# KiCad board FPGA-BOARDver3.kicad_pcb
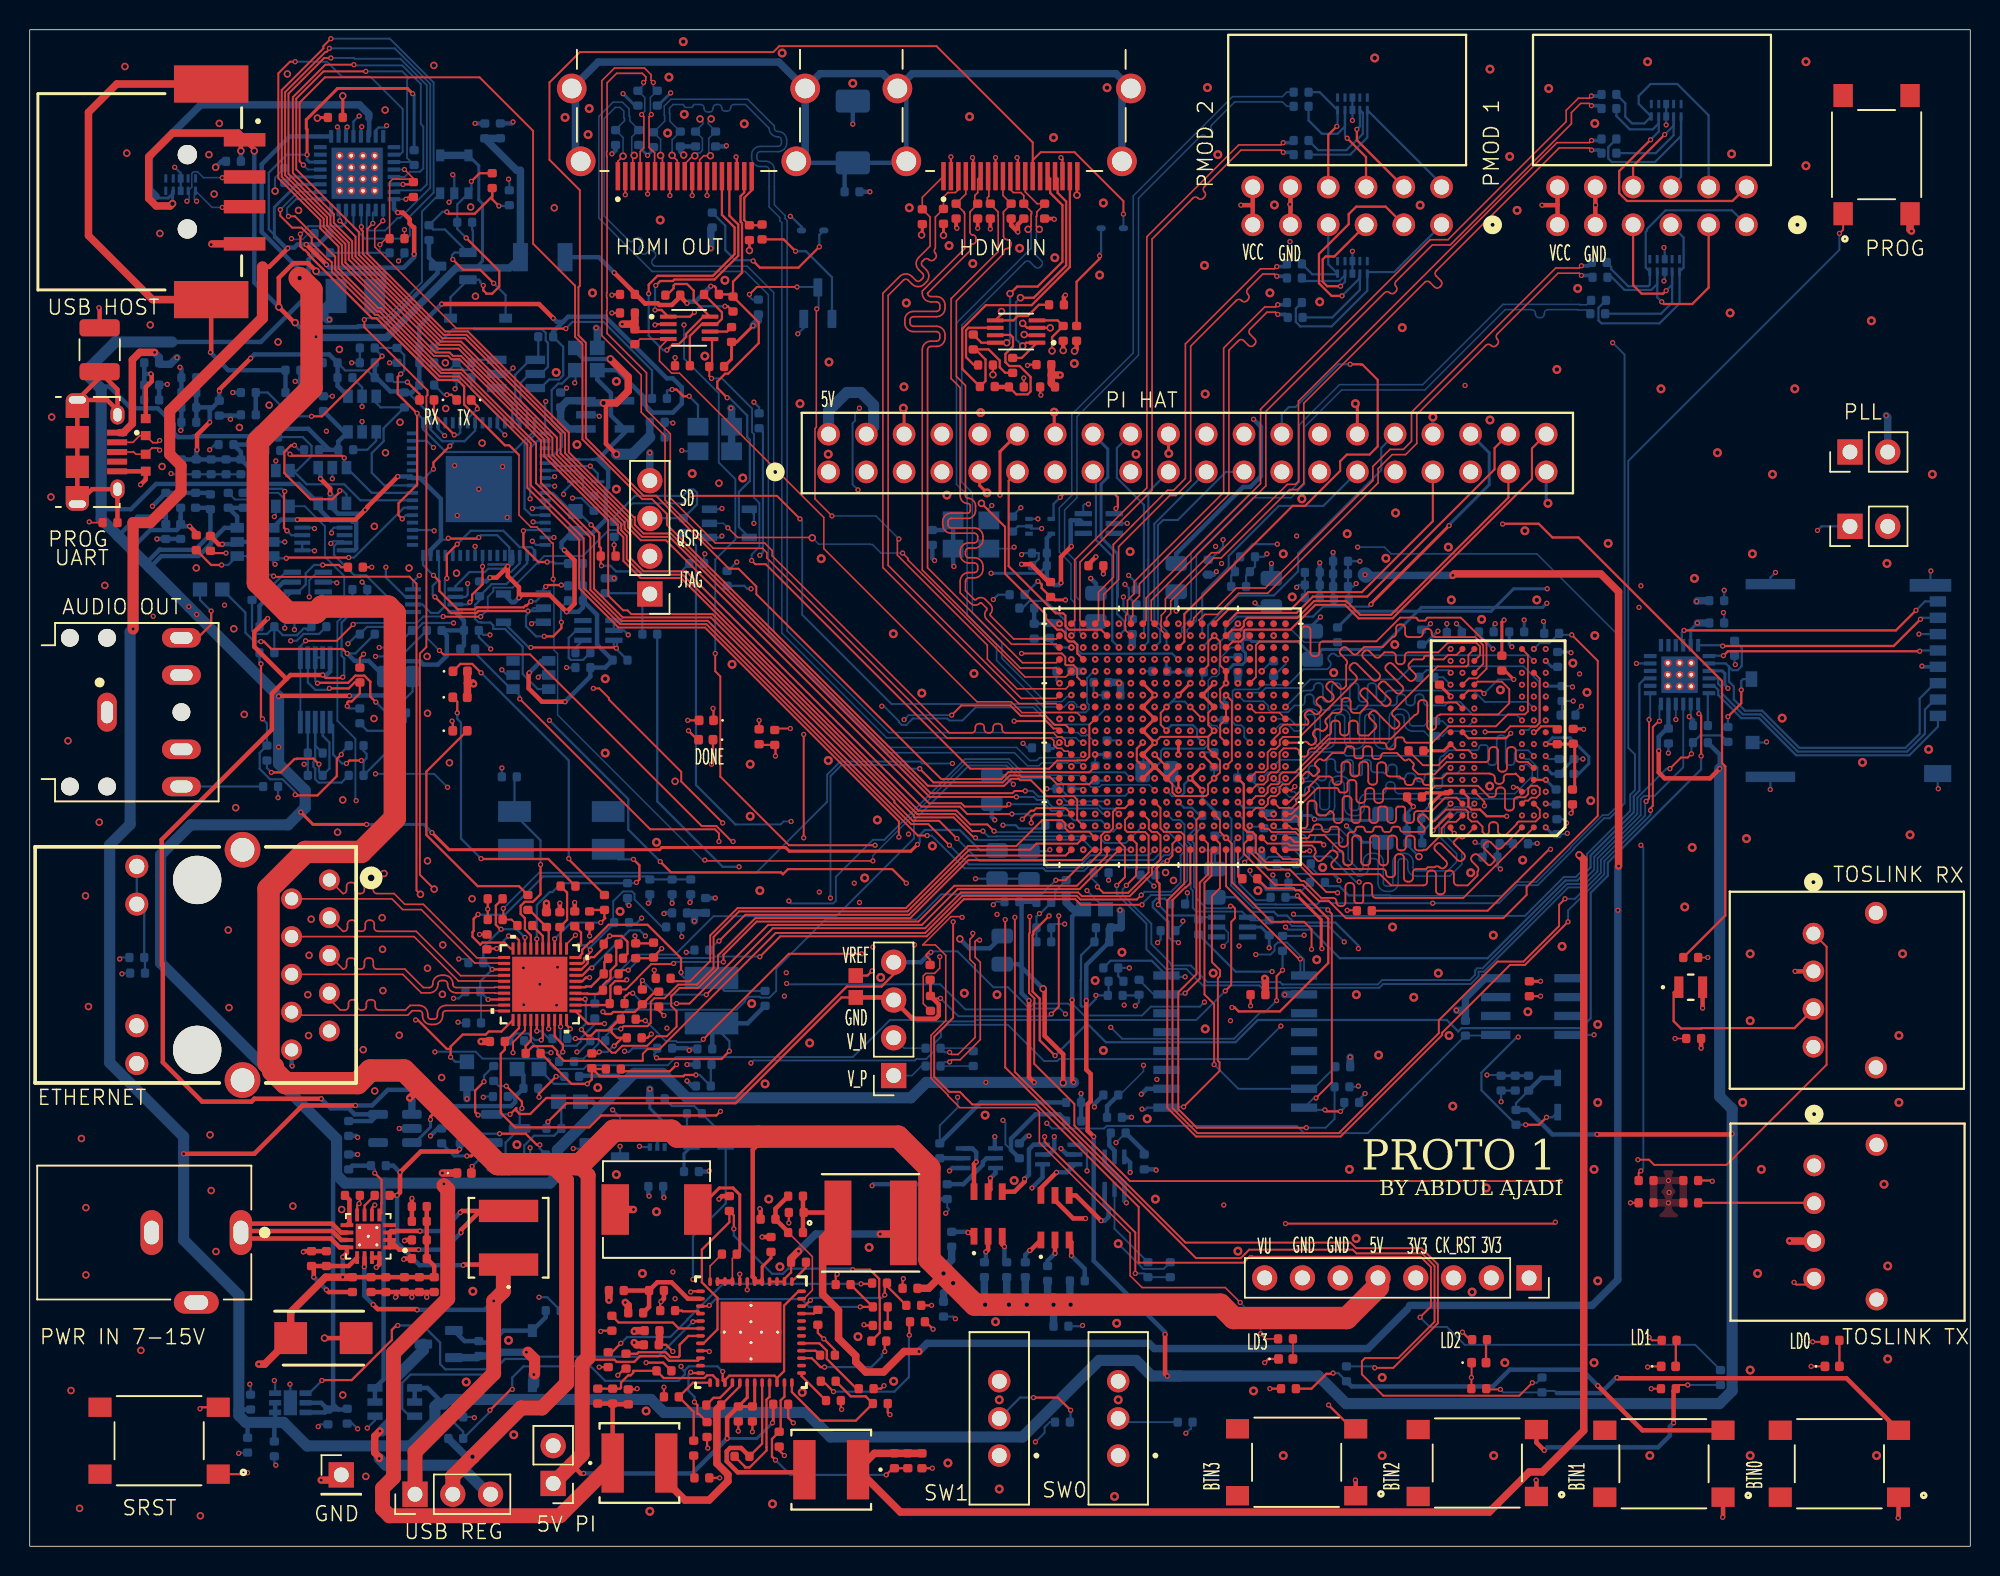
[diagram p0: board, top side]
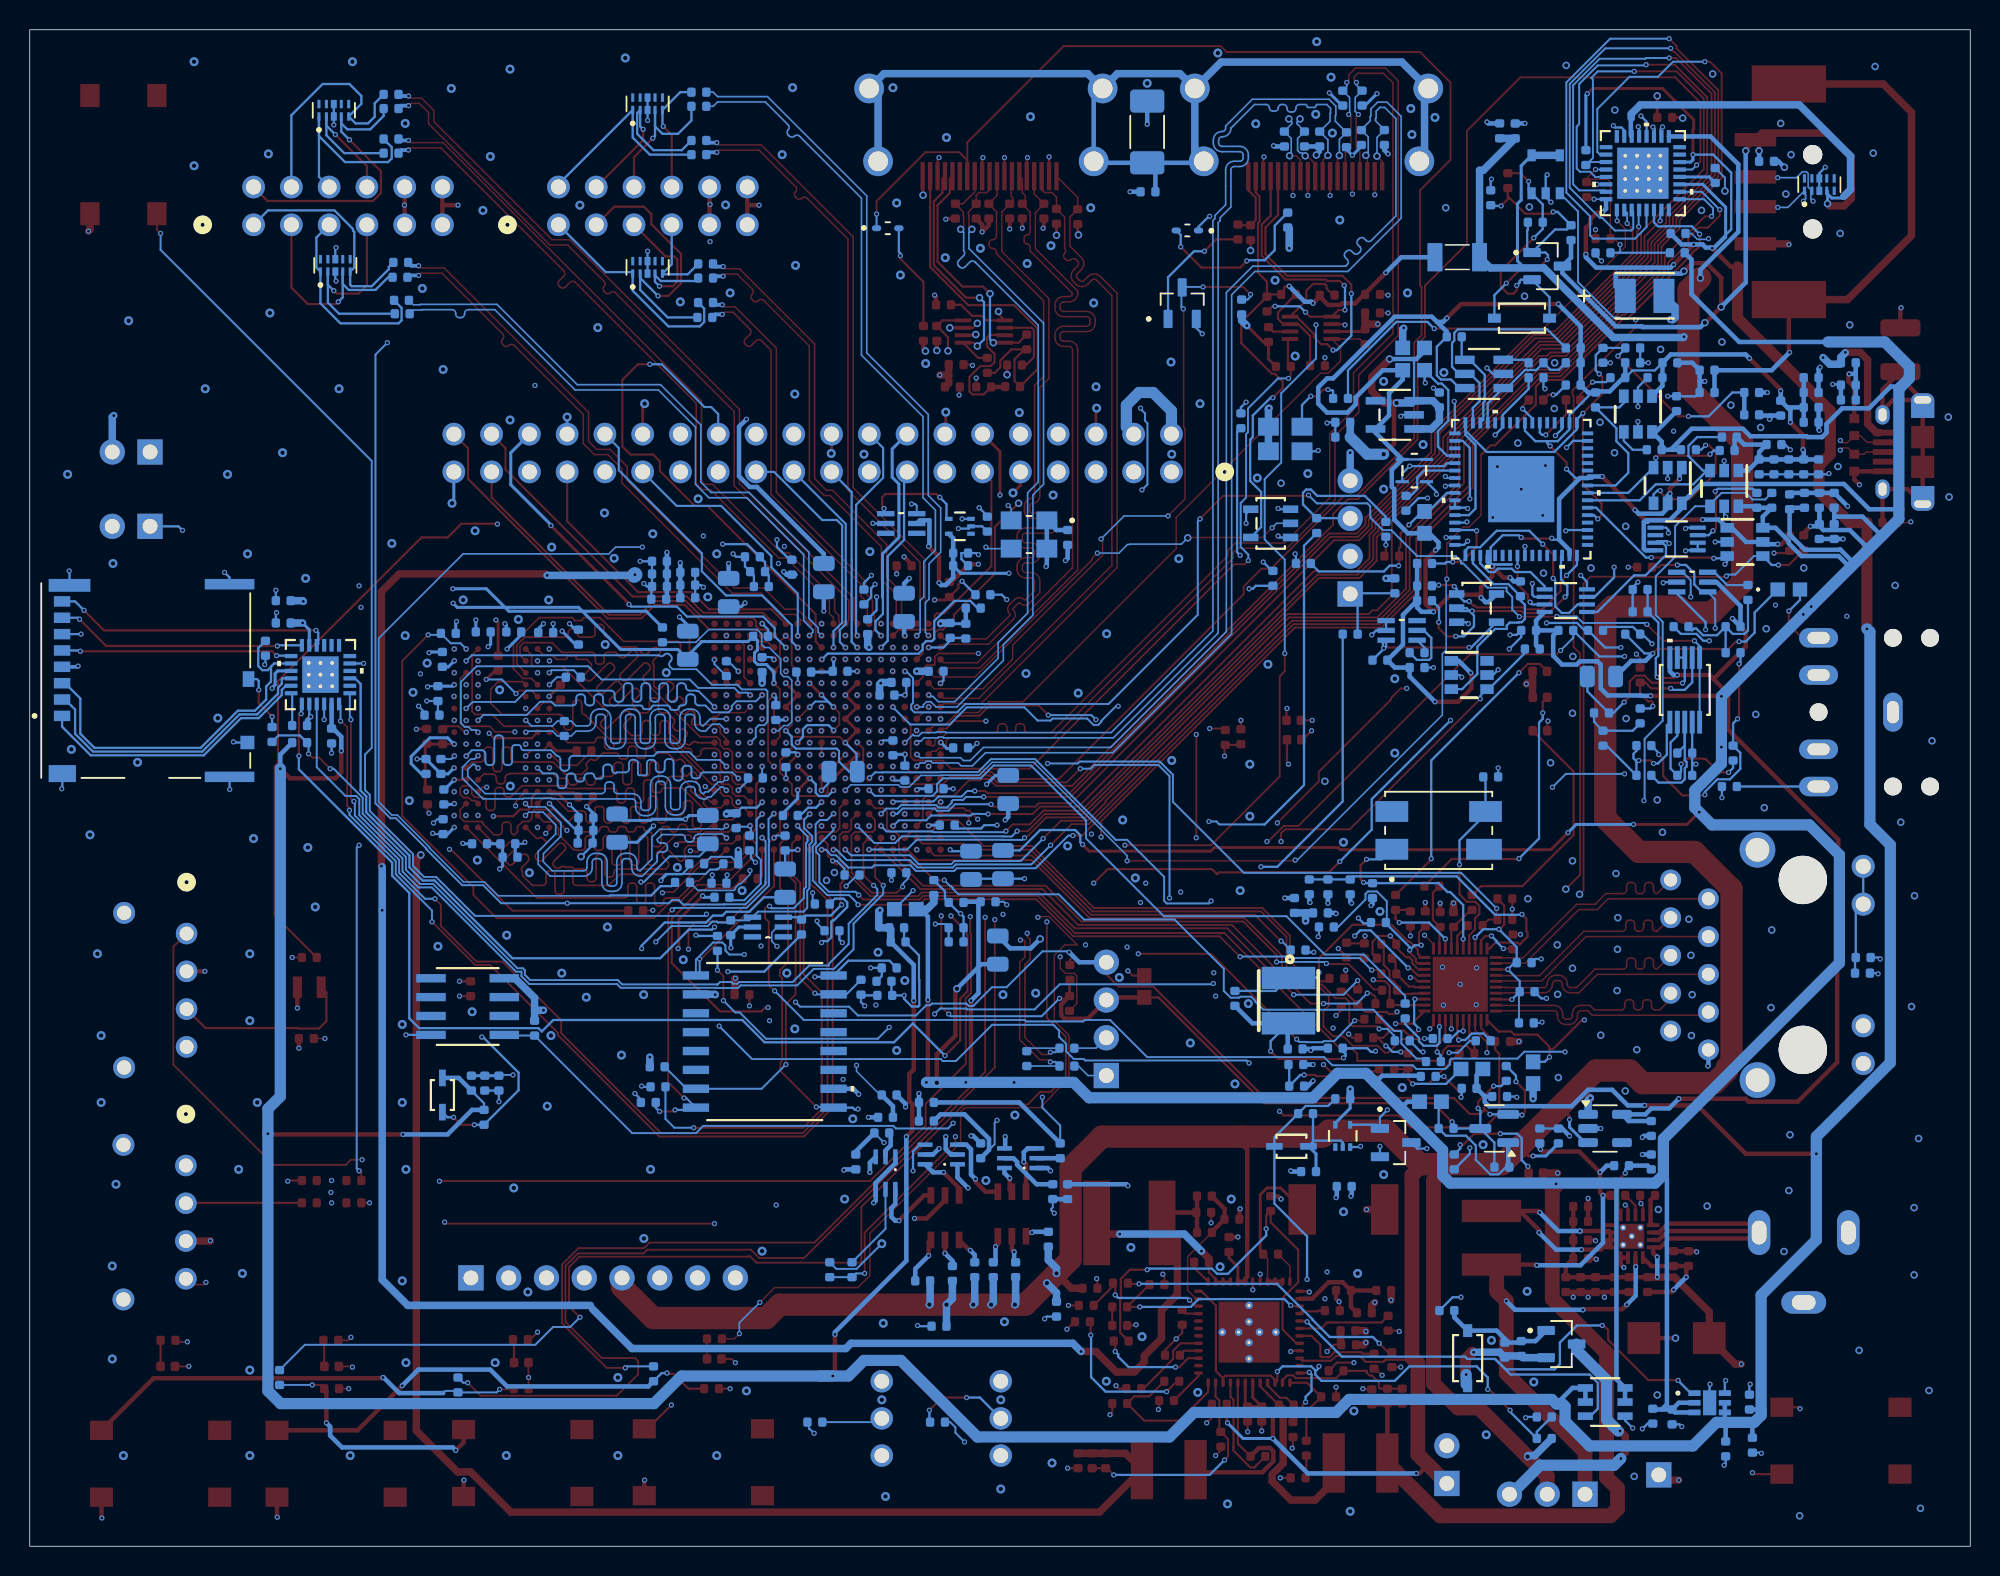
[diagram p1: board, bottom side, seen from below]

Outline 130.5 x 102 mm; copper layers: Top, GND.Cu (plane), SIGNAL.Cu, PWR.Cu (plane), GND2.Cu (plane), SIGNAL2.Cu, GND3.Cu (plane), Bottom. Coordinates in mm from the lower left corner of the outline.
Outline path: rectangle 0,102 130.5,0
Stack: Top 0.035mm / dielectric 0.1mm FR4 er 4.5 / GND.Cu 0.035mm / dielectric 0.3mm FR4 er 4.5 / SIGNAL.Cu 0.035mm / dielectric 0.1mm FR4 er 4.5 / PWR.Cu 0.035mm / dielectric 0.3mm FR4 er 4.5 / GND2.Cu 0.035mm / dielectric 0.1mm FR4 er 4.5 / SIGNAL2.Cu 0.035mm / dielectric 0.3mm FR4 er 4.5 / GND3.Cu 0.035mm / dielectric 0.1mm FR4 er 4.5 / Bottom 0.035mm

## Placement (name value [footprint] x y rotation side)
C1  100nF  [C_0402]  22.2 64.35 0 bottom
C2  100nF  [C_0402]  22.2 62.85 0 bottom
C3  820pF 5%  [C_0402]  19.2 51.85 180 bottom
C4  100nF  [C_0402]  80.33 56.07 270 bottom
C5  10nF  [C_0402]  102.73 54.45 90 top
C6  1uF /10V  [C_0402]  61.45 15.95 270 bottom
C7  1uF / 10V  [C_0402]  69.35 14.8 0 bottom
C8  10nF  [C_0402]  98.95 31.15 270 bottom
C9  10nF  [C_0402]  60.7 67.85 270 bottom
C10  .1uF  [C_0402]  111.9 34.15 0 top
C11  .1uF  [C_0402]  111.7 24.6 180 top
C12  100nF  [C_0402]  60.55 38.6 270 top
C13  100nF  [C_0402]  60.58 36.51 90 top
C14  100nF  [C_0402]  82.6 37.1 180 top
C15  100nF  [C_0402]  100.85 37.5 270 top
C16  1nF  [C_0402]  63.45 32.8 90 bottom
C17  100nF  [C_0402]  43.89 79.4 180 top
C18  100nF  [C_0402]  31.2 31.8 270 bottom
C19  1uF  [C_0402]  27.7 27.6 90 bottom
C20  1uF  [C_0402]  21.45 28.1 270 bottom
C21  1uF  [C_0402]  36.45 31.6 180 bottom
C22  100nF  [C_0402]  40.2 82.95 180 top
C23  100nF  [C_0402]  68.2 79.47 180 top
C24  100nF  [C_0402]  66.35 77.97 0 top
C25  100nF  [C_0402]  40.2 84.2 180 top
C26  470nF  [C_0402]  35.25 28.1 180 bottom
C27  4.7uF/10V  [C_0402]  30.2 13.3 90 bottom
C28  100nF  [C_0402]  18.95 19.35 90 top
C29  22nF  [C_0402]  21.7 23.6 0 top
C30  0.1uF  [C_0402]  27.2 17.6 270 top
C31  10uF/10V  [C_0402]  28.95 27.6 90 bottom
C32  100nF  [C_0402]  31.5 25.5 0 bottom
C33  100nF  [C_0402]  42.1 24.2 0 bottom
C34  10nF  [C_0402]  103.8 54.47 270 top
C35  10nF  [C_0402]  99 59.4 90 top
C36  47nF  [C_0402]  93.1 48.15 180 bottom
C37  47nF  [C_0402]  98.35 47.25 0 bottom
C38  47nF  [C_0402]  100.25 47.25 180 bottom
C39  47nF  [C_0402]  102.7 48.4 90 bottom
C40  47nF  [C_0402]  95.8 61.45 180 bottom
C41  47nF  [C_0402]  97.95 61.5 0 bottom
C42  47nF  [C_0402]  102.65 50.4 90 bottom
C43  47nF  [C_0402]  102.75 59.65 90 bottom
C44  47nF  [C_0402]  100 61.5 0 bottom
C45  47nF  [C_0402]  98.2 46.35 0 bottom
C46  47nF  [C_0402]  93.95 58.45 180 bottom
C47  47nF  [C_0402]  103.05 57.35 270 bottom
C48  47nF  [C_0402]  93.23 53.5 180 top
C49  47nF  [C_0402]  93.13 50.4 180 top
C50  47nF  [C_0402]  93.6 61.15 90 bottom
C51  47nF  [C_0402]  93.15 47.3 180 bottom
C52  1nF 250V  [C_1808_4520Metric]  55.35 95.12 90 bottom
C53  100nF  [C_0402]  31.3 43.55 180 top
C54  100nF  [C_0402]  29.85 35.2 180 bottom
C55  100nF  [C_0402]  29.8 37.3 180 bottom
C56  100nF  [C_0402]  43.3 41.65 0 bottom
C57  100nF  [C_0402]  30 39.25 180 bottom
C58  4.7uF  [C_0402]  39.8 41.95 0 bottom
C59  27pF  [C_0402]  41.95 40.1 90 top
C60  27pF  [C_0402]  40.2 44.1 270 bottom
C61  27pF  [C_0402]  32.25 51.75 180 bottom
C62  27pF  [C_0402]  31.3 42.15 180 top
C63  100nF  [C_0402]  110.2 54.5 270 bottom
C64  4.7uF  [C_0402]  42.7 33.5 0 bottom
C65  100nF  [C_0402]  45.4 33.45 180 bottom
C66  1nF  [C_0402]  7.2 39.6 180 bottom
C67  4.7uF  [C_0402]  45.45 43.1 90 bottom
C68  100nF  [C_0402]  43.7 42.6 180 bottom
C69  4.7uF  [C_0402]  44.45 44.35 270 bottom
C70  100nF  [C_0402]  43.2 44.35 270 bottom
C71  100nF  [C_0402]  41.7 44.35 270 bottom
C72  4.7uF  [C_0402]  31.65 30.25 180 bottom
C73  100nF  [C_0402]  33.7 30.8 0 bottom
C74  4.7uF  [C_0402]  45.35 32.4 180 bottom
C75  100nF  [C_0402]  45.3 30.95 180 bottom
C76  100nF  [C_0402]  67.9 65.95 180 bottom
C77  4.7uF  [C_0402]  66.1 68.75 90 bottom
C78  100nF  [C_0402]  67.9 66.8 180 bottom
C79  100nF  [C_0402]  113.45 62.1 0 bottom
C80  100nF  [C_0402]  113.45 63.6 0 bottom
C81  4.7uF  [C_0402]  44.5 25.2 0 bottom
C82  470nF  [C_0402]  102.85 52.45 90 bottom
C83  470nF  [C_0402]  93.1 49 180 bottom
C84  4.7nF  [C_0402]  103.45 55.9 180 bottom
C85  100uF  [C_0805]  91 48.3 90 bottom
C86  4.7uF  [C_0402]  83 48.8 270 bottom
C87  470nF  [C_0402]  81.25 59.3 90 bottom
C88  470nF  [C_0402]  83.35 45.9 0 bottom
C89  470nF  [C_0402]  83.65 59.02 90 bottom
C90  470nF  [C_0402]  85.65 45.9 0 bottom
C91  470nF  [C_0402]  88.2 63.7 0 bottom
C92  470nF  [C_0402]  79.7 47.3 270 bottom
C93  470nF  [C_0402]  72.1 40.65 180 bottom
C94  470nF  [C_0402]  81.9 66.55 180 bottom
C95  470nF  [C_0402]  86.25 63.8 180 bottom
C96  470nF  [C_0402]  81.55 65.55 180 bottom
C97  470nF  [C_0402]  79.35 49.15 180 bottom
C98  470nF  [C_0402]  81.35 61.2 180 bottom
C99  470nF  [C_0402]  78.45 58.8 0 bottom
C100  470nF  [C_0402]  74.15 61.85 90 bottom
C101  470nF  [C_0402]  67.55 61.55 270 bottom
C102  470nF  [C_0402]  72.05 58.1 180 bottom
C103  470nF  [C_0402]  68.6 61.6 270 bottom
C104  470nF  [C_0402]  67.9 53.7 180 bottom
C105  470nF  [C_0402]  69.55 50.95 180 bottom
C106  470nF  [C_0402]  72.45 53.7 90 bottom
C107  470nF  [C_0402]  71.65 52 270 bottom
C108  470nF  [C_0402]  69.7 44.3 90 bottom
C109  470nF  [C_0402]  88.15 66.25 0 bottom
C110  470nF  [C_0402]  86.25 65.5 180 bottom
C111  470nF  [C_0402]  81.3 64.55 180 bottom
C112  470nF  [C_0402]  86.25 64.65 180 bottom
C113  470nF  [C_0402]  68.2 41.6 180 bottom
C114  4.7uF  [C_0402]  79.65 52.9 90 bottom
C115  4.7uF  [C_0402]  82.1 47.3 90 bottom
C116  4.7nF  [C_0402]  72.2 41.6 180 bottom
C117  4.7uF  [C_0402]  88.15 64.55 0 bottom
C118  4.7uF  [C_0402]  68.2 43.3 0 bottom
C119  4.7uF  [C_0402]  76 58.85 180 bottom
C120  4.7uF  [C_0402]  69.55 58.85 180 bottom
C121  4.7uF  [C_0402]  74.4 63.85 270 bottom
C122  4.7uF  [C_0402]  72.85 57.25 180 bottom
C123  4.7uF  [C_0402]  68.8 48.5 180 bottom
C124  4.7uF  [C_0402]  66.05 43.35 180 bottom
C125  47uF  [C_0805]  65.4 40.1 90 bottom
C126  4.7uF  [C_0402]  79.25 65.85 90 bottom
C127  4.7uF  [C_0402]  88.15 65.4 0 bottom
C128  100uF  [C_0805]  75.8 52.1 0 bottom
C129  100uF  [C_0805]  79.7 44.6 90 bottom
C130  100uF  [C_0805]  67.2 45.8 270 bottom
C131  100uF  [C_0805]  84.9 48.2 90 bottom
C132  100uF  [C_0805]  65.05 45.85 270 bottom
C133  100uF  [C_0805]  77.1 65.15 270 bottom
C134  100uF  [C_0805]  71.7 63.15 90 bottom
C135  100uF  [C_0805]  64.7 50.9 90 bottom
C136  100uF  [C_0805]  83.5 64.15 270 bottom
C137  10uF  [C_0402]  68.2 40.65 180 bottom
C138  47uF  [C_0805]  86.25 60.6 90 bottom
C139  22uF  [C_0402]  50.5 9.55 0 top
C140  22uF  [C_0402]  59.2 17.35 180 top
C141  22uF  [C_0402]  49.85 20.3 90 top
C142  22uF  [C_0402]  48.6 8.9 270 top
C143  10uF/10V  [C_0402]  39.15 15 90 top
C144  1uF/10V  [C_0402]  47.65 8.9 270 top
C145  3.3uF/10V  [C_0402]  47.05 23.05 90 top
C146  4.7uF/10V  [C_0402]  40.1 12.45 270 top
C147  1.5nF  [C_0402]  38.9 12.55 90 top
C148  33nF  [C_0402]  53 15.4 90 top
C149  10pF  [C_0402]  59.45 16.2 180 top
C150  150pF  [C_0402]  57.2 14.85 0 top
C151  10pF  [C_0402]  54.7 17.6 0 top
C152  1.2nF  [C_0402]  59.7 15.1 180 top
C153  10pF  [C_0402]  57.2 9.6 180 top
C154  33nF  [C_0402]  54.05 9.8 180 top
C155  100nF  [C_0402]  47.9 6.05 0 top
C156  22uF  [C_0402]  60 5.75 270 top
C157  33nF  [C_0402]  42.9 15.85 0 top
C158  330pF  [C_0402]  45.2 4.6 180 top
C159  10pF  [C_0402]  43.15 10.05 0 top
C160  33nF  [C_0402]  45.55 7.85 90 top
C161  10pF  [C_0402]  59.05 5.75 270 top
C162  100nF  [C_0402]  46 9.5 0 top
C163  10pF  [C_0402]  39.2 10.1 90 top
C164  22uF  [C_0402]  40.25 10.05 90 top
C165  100nF  [C_0402]  47.05 19.65 0 top
C166  10pF  [C_0402]  40.75 15.7 0 top
C167  22uF  [C_0402]  41.85 14.5 0 top
C168  100nF  [C_0402]  51.7 19.1 180 top
C169  10pF  [C_0402]  51.5 21.1 180 top
C170  22uF  [C_0402]  51.55 22.45 180 top
C171  100nF  [C_0402]  14.85 9.7 90 bottom
C172  4.7uF  [C_0402]  20.05 8.7 270 bottom
C173  1uF  [C_0402]  21.35 8.75 270 bottom
C174  100nF  [C_0402]  16.45 6.55 270 bottom
C175  1nF 5%  [C_0402]  21.95 53.85 0 bottom
C176  100nF  [C_0402]  68.45 77.97 180 top
C177  150pF 5%  [C_0402]  22.2 58.6 90 top
C178  1nF 5%  [C_0402]  24.8 56.05 180 bottom
C179  100uF  [C_0805]  24.8 58.5 180 bottom
C180  T491B157M006AT  [CAPMP3.7X2.8_2.1N_KEM]  21.9 84.1 180 bottom
C181  1nF  [C_0402]  17.7 79.1 0 bottom
C182  1uF 10V  [C_0402]  31.1 91.85 90 top
C183  100nF 10V  [C_0402]  26.85 88.35 270 bottom
C184  10nF  [C_0402]  49.05 75.7 270 bottom
C185  4.7uF 10V  [C_0402]  13.7 93.15 0 bottom
C186  100nF 10V  [C_0402]  30.6 95.19 270 bottom
C187  100nF  [C_0402]  20.55 96.1 180 top
C188  2.2uF  [C_0402]  17.15 92.2 270 bottom
C189  100nF  [C_0402]  19.65 88.3 0 bottom
C190  100nF  [C_0402]  24.7 87.95 180 top
C191  100nF  [C_0402]  24.7 86.99 180 bottom
C192  10uF  [C_0402]  26.2 21.85 180 top
C193  10uF  [C_0402]  26.2 22.85 180 top
C194  10uF  [C_0402]  26.2 17.6 270 top
C195  10uF  [C_0402]  25.2 17.6 270 top
C196  10uF  [C_0402]  26.2 19.35 180 top
C197  10uF  [C_0402]  26.2 20.6 180 top
C198  10uF  [C_0402]  22.95 17.6 270 top
C199  10uF  [C_0402]  23.95 17.6 270 top
C200  22uF  [C_0402]  41.8 13.55 0 top
C201  100nF  [C_0402]  10.7 77.6 180 bottom
C202  100nF  [C_0402]  10.7 78.6 180 bottom
C203  1nF/2kV  [C_1210_3225Metric]  4.7 80.47 90 top
C204  100nF  [C_0402]  24.7 80.1 270 bottom
C205  100nF  [C_0402]  14.7 76.1 180 bottom
C206  100nF  [C_0402]  22.7 80.6 180 bottom
C207  4.7uF  [C_0402]  14.7 77.6 180 bottom
C208  100nF  [C_0402]  8.2 79.6 180 bottom
C209  100nF  [C_0402]  42.2 75.6 0 bottom
C210  4.7uF  [C_0402]  42.2 74.6 0 bottom
C211  4.7uF  [C_0402]  10.7 75.6 180 bottom
C212  4.7uF  [C_0402]  38.9 66.6 0 top
C213  100nF  [C_0402]  44.85 66.1 0 bottom
C214  4.7uF  [C_0402]  10.7 76.6 180 bottom
C215  100nF  [C_0402]  37.2 59.1 180 bottom
C216  100nF  [C_0402]  11.2 72.6 270 bottom
C217  100nF  [C_0402]  10.2 72.6 270 bottom
C218  100nF  [C_0402]  12.2 72.6 270 bottom
C219  4.7uF  [C_0402]  8.2 78.1 180 bottom
C220  100nF  [C_0402]  8.2 77.1 180 bottom
C221  100nF  [C_0402]  22.7 79.6 180 bottom
C222  100nF  [C_0402]  9.15 68.25 270 bottom
C223  100nF  [C_0402]  20.2 79.6 180 bottom
C224  100nF  [C_0402]  13.2 72.6 270 bottom
C225  100nF  [C_0402]  10.15 68.25 270 bottom
C226  100nF  [C_0402]  14.2 72.6 270 bottom
C227  100nF  [C_0402]  9.15 70.35 90 bottom
C228  100nF  [C_0402]  21.2 78.6 0 bottom
C229  100nF  [C_0402]  19.75 76.85 90 bottom
C230  100nF  [C_0402]  12.75 76.55 270 bottom
C231  100nF  [C_0402]  12.15 70.25 90 bottom
C232  100nF  [C_0402]  11.15 70.35 90 bottom
C233  100nF  [C_0402]  10.15 70.35 90 bottom
CR1  1SS352  [USC_TOS]  102.75 30.35 270 bottom
CR2  1SS352  [USC_TOS]  45.65 26.9 180 bottom
CR3  DDZ9699-7  [ZDO_SOD123_DIO]  30.15 82.6 0 bottom
CR4  DDZ9699-7  [ZDO_SOD123_DIO]  33.8 12.65 90 bottom
CR5  7M-26.000MAAJ-T  [CRYSTAL_TXC_7M]  46.07 74.48 90 bottom
CR6  GG0402050R3C2P  [CR_050R3C2P_AVX]  7.8 75.27 270 top
CR7  GG0402050R3C2P  [CR_050R3C2P_AVX]  7.8 72.88 90 top
D1  LED  [LED_0402_1005Metric]  84.46 12.6 0 top
D4  LED  [LED_0402_1005Metric]  97.45 12.35 0 top
D5  LED  [LED_0402_1005Metric]  110.2 12.1 0 top
D6  LED  [LED_0402_1005Metric]  121.21 12.1 0 top
D7  SMLVN6RGB  [LED_SMLV56_ROM]  68.95 22.1 90 top
D8  SMLVN6RGB  [LED_SMLV56_ROM]  64.45 22.35 90 top
D25  LED  [LED_0402_1005Metric]  29.22 25.1 0 top
D26  BAS16XV2T1G  [SODFL1608X70N]  72.8 88.65 180 bottom
D27  BAS16XV2T1G  [SODFL1608X70N]  52.65 88.5 0 bottom
D28  LED  [LED_0402_1005Metric]  28.94 54.85 0 top
D32  LED  [LED_0402_1005Metric]  28.94 57.1 0 top
D33  LED  [LED_0402_1005Metric]  28.95 58.85 0 top
D37  SMBJ15CA-E3_52  [DIOM5436X244N]  19.75 14 0 top
DONE1  Green  [LED_0402_1005Metric]  45.5 55.55 180 top
F1  -  [PTS120630V012]  34.5 86.7 180 bottom
F2  PRG18BB330MB1RB  [FUSE_PRG-18_MUR]  12.2 64.35 180 bottom
FL1  600Ohm/100MHz  [BEADC1608X95N]  71.61 42.85 180 bottom
FL2  600Ohm/100Mhz  [BEADC1608X95N]  36.3 29.9 180 bottom
FL3  600Ohm/100MHz  [BEADC1608X95N]  29.4 31.85 90 bottom
FL4  600Ohm/100MHz  [BEADC1608X95N]  33.52 32.1 0 bottom
FL5  600Ohm/100Mhz  [BEADC1608X95N]  55.55 37.65 270 top
FL6  600Ohm/100Mhz  [BEADC1608X95N]  36.7 68.86 270 bottom
FL7  600Ohm/100Mhz  [BEADC1608X95N]  37.44 80.6 180 bottom
FL8  600Ohm/100Mhz  [BEADC1608X95N]  37.44 79.1 180 bottom
IC1  IS43TR16256B-125KBLI  [BGA96C80P9X16_900X1300X120]  98.75 54.35 180 top
J1  PJ-102AH  [CUI_PJ-102AH]  7.7 21.1 180 top
J2  Conn_01x01_Pin  [PinHeader_1x01_P2.54mm_Vertical]  20.95 4.8 0 top
J3  Conn_01x03_Pin  [PinHeader_1x03_P2.54mm_Vertical]  25.91 3.5 90 top
J4  Conn_01x04_Pin  [PinHeader_1x04_P2.54mm_Vertical]  41.7 64.05 180 top
J5  Conn_01x02_Pin  [PinHeader_1x02_P2.54mm_Vertical]  122.41 73.6 90 top
J6  ADC_CONN  [PinSocket_1x04_P2.54mm_Vertical]  58.1 31.66 180 top
J7  POWER_CONN  [PinSocket_1x08_P2.54mm_Vertical]  100.83 18.05 270 top
J8  Conn_01x02_Pin  [PinHeader_1x02_P2.54mm_Vertical]  122.41 68.6 90 top
J9  SJ1-3525NG  [CUI_SJ1-3525NG]  5.2 56.1 0 top
J10  10029449-001RLF  [AMPHENOL_10029449-001RLF]  44.3 97.1 180 top
J11  10029449-001RLF  [AMPHENOL_10029449-001RLF]  66.2 97.1 180 top
J12  HFJ11-1G01ERL  [HALO_FASTJACK]  14.31 39.1 270 top
J13  503398-1892  [MOLEX_503398-1892]  122.7 58.23 90 bottom
J14  PRT-14017  [CONN_PRT-14017_SPK]  53.72 72.26 0 top
J15  USB-A-S-X-X-SM2  [SAMTEC_USB-A-S-X-X-SM2]  10.6 91.1 270 top
J16  10118194-0001LF  [AMPHENOL_10118194-0001LF]  3.2 73.6 270 top
J17  Conn_01x02_Pin  [PinHeader_1x02_P2.54mm_Vertical]  35.2 4.22 180 top
L1  47uH  [IND_TAIYO_CBC2012_TAY]  111.7 37.6 0 top
L2  SRN4018-3R3M  [SRN4018]  45.85 36.7 270 bottom
L3  NR5040T4R7N / 4.7uH  [IND_TAIYO_NR5040_TAY]  32.2 20.75 90 top
L5  SRP6540-1R5M  [IND_SRP6540-1R5M]  42.15 22.65 0 top
L6  NR5040T4R7N/ 4.7uH  [IND_TAIYO_NR5040_TAY]  41 5.6 0 top
L7  NR5040T4R7N/ 4.7uH  [IND_TAIYO_NR5040_TAY]  53.9 5.15 180 top
L10  TYS60282R2N-10/2.2uH  [IND_TYS60282_LRD]  56.55 21.75 0 top
P1  PMOD-Device-x2-Type-Generic-Alt  [CONN_PPPC062LJBN-RC_SUL]  115.45 88.88 180 top
P2  PMOD-Device-x2-Type-Generic-Alt  [CONN_PPPC062LJBN-RC_SUL]  94.95 88.88 180 top
PWR1  LED  [LED_0402_1005Metric]  45.47 54.25 180 top
Q7  DMG2305UX-13  [DMG2305UX_13]  27.5 13.6 180 bottom
Q8  -  [FDV301N]  38.64 27.15 180 bottom
Q9  -  [FDV301N]  53 83.61 90 bottom
Q10  DMG2305UX-13  [DMG2305UX_13]  28.45 86.1 180 bottom
R1  330  [R_0402]  84.45 13.95 0 top
R2  330  [R_0402]  97.5 13.9 0 top
R3  0  [R_0402]  14.95 64.15 270 bottom
R4  40.2  [R_0402]  82.05 44.9 0 top
R5  80.6 1%  [R_0402]  94.55 55 90 bottom
R6  80.6 1%  [R_0402]  81.7 51.67 180 bottom
R7  80.6 1%  [R_0402]  89.75 42.75 180 top
R8  40.2 1%  [R_0402]  72.05 45.3 0 bottom
R9  1.3K 1%  [R_0402]  15.95 61.85 180 bottom
R10  2K 1%  [R_0402]  19.45 61.85 0 bottom
R11  10K 1%  [R_0402]  15.95 60.1 180 bottom
R12  10.7K 1%  [R_0402]  15.95 53.35 270 bottom
R13  330  [R_0402]  110.25 13.85 0 top
R14  330  [R_0402]  121.2 13.85 0 top
R15  10k  [R_0402]  97.45 10.6 180 top
R16  0  [R_0402]  21.95 51.85 0 bottom
R17  10K 1%  [R_0402]  103.85 52.45 270 bottom
R18  10K 1%  [R_0402]  100.8 31.15 90 bottom
R19  10K 1%  [R_0402]  99.9 31.15 270 bottom
R20  10K 1%  [R_0402]  103.75 50.4 270 top
R21  10k  [R_0402]  84.65 10.6 180 top
R22  10k  [R_0402]  110.2 10.6 180 top
R23  10k  [R_0402]  49.05 54.45 90 top
R24  10k  [R_0402]  50.1 54.4 90 top
R25  10k  [R_0402]  113.7 11.35 90 bottom
R26  10k  [R_0402]  88.55 11.6 90 bottom
R27  10k  [R_0402]  101.7 10.85 90 bottom
R28  10k  [R_0402]  69.45 8.35 180 bottom
R29  10k  [R_0402]  77.7 8.35 0 bottom
R30  86.6  [R_0402]  66.95 18.6 90 bottom
R31  150  [R_0402]  68.45 18.35 90 bottom
R32  75  [R_0402]  70.45 17.85 0 bottom
R33  2.2k  [R_0402]  66.55 26.6 270 bottom
R34  2.2k  [R_0402]  75.2 18.6 270 bottom
R35  2.2k  [R_0402]  73.2 27.8 0 bottom
R36  20K  [R_0402]  83.95 43.65 180 bottom
R37  20K  [R_0402]  88.25 30.9 180 bottom
R38  20K  [R_0402]  88.9 29.85 180 bottom
R39  1K  [R_0402]  73 37.05 0 bottom
R40  20K  [R_0402]  74.6 37.6 90 bottom
R41  1K  [R_0402]  73.05 38 0 bottom
R42  20K  [R_0402]  72.7 38.9 180 bottom
R43  10K  [R_0402]  75.2 45.15 0 bottom
R44  200  [R_0402]  78.6 41.65 90 bottom
R45  10K  [R_0402]  83.36 41.6 270 bottom
R46  1K  [R_0402]  38.7 64.6 90 bottom
R47  1K  [R_0402]  39.3 68.4 90 bottom
R48  20K  [R_0402]  41.7 61.35 180 bottom
R49  20K  [R_0402]  43.95 68.65 90 bottom
R50  49.9  [R_0402]  86.6 44.65 0 bottom
R51  12K 1%  [R_0402]  37.95 70.15 270 bottom
R52  5.6K  [R_0402]  111.7 23.1 180 top
R53  4.7K  [R_0402]  87.95 61.3 270 bottom
R54  4.7K  [R_0402]  71.7 65.95 180 top
R55  2.2k  [R_0402]  74.95 25.85 90 bottom
R56  2.2k  [R_0402]  76.7 18.6 270 bottom
R57  2.2k  [R_0402]  70.2 28.6 180 bottom
R58  86.6  [R_0402]  62 20.65 90 bottom
R59  150  [R_0402]  64.2 18.6 90 bottom
R60  75  [R_0402]  65.7 18.6 90 bottom
R61  2.2k  [R_0402]  61.7 23.85 270 bottom
R62  2.2k  [R_0402]  61.2 26.6 90 bottom
R63  2.2k  [R_0402]  72.7 30.35 0 bottom
R64  2.2k  [R_0402]  72.95 28.85 180 bottom
R65  2.2k  [R_0402]  70.2 29.85 180 bottom
R66  2.2k  [R_0402]  60.7 23.85 270 bottom
R67  0  [R_0402]  85.05 83.65 0 bottom
R68  0  [R_0402]  85.1 82.65 0 bottom
R69  0  [R_0402]  85.05 85.3 0 bottom
R70  0  [R_0402]  85.05 86.25 0 bottom
R71  0  [R_0402]  105.55 86.35 0 bottom
R72  0  [R_0402]  105.6 85.35 0 bottom
R73  0  [R_0402]  105.5 83.8 0 bottom
R74  0  [R_0402]  105.45 82.9 0 bottom
R75  0  [R_0402]  85.5 93.6 0 bottom
R76  0  [R_0402]  85.5 94.55 0 bottom
R77  0  [R_0402]  85.5 96.85 0 bottom
R78  0  [R_0402]  85.5 97.8 0 bottom
R79  0  [R_0402]  106.2 96.7 0 bottom
R80  0  [R_0402]  106.2 97.65 0 bottom
R81  0  [R_0402]  106.2 94.65 0 bottom
R82  0  [R_0402]  106.2 93.7 0 bottom
R83  100k  [R_0402]  31.3 13.2 90 bottom
R84  4.7k  [R_0402]  35.2 15.85 0 bottom
R85  20k  [R_0402]  28.65 7.25 0 bottom
R86  10K  [R_0402]  28.65 8.7 0 bottom
R87  13.3K/1%  [R_0402]  21.45 25.85 90 bottom
R88  69.8K/1%  [R_0402]  23.45 25.6 180 bottom
R89  10k/1%  [R_0402]  19.95 19.35 90 top
R90  62k/1%  [R_0402]  21.7 17.6 270 top
R91  0  [R_0402]  23.7 23.6 180 top
R92  15K  [R_0402]  42.2 30.1 0 bottom
R93  4.7k  [R_0402]  21.9 65.85 180 top
R94  680  [R_0402]  34.7 25.85 270 bottom
R95  240 1%  [R_0402]  94.8 57.45 90 top
R96  4.7K  [R_0402]  102.35 61.4 180 bottom
R97  33K  [R_0402]  57.15 17.7 0 top
R98  100K  [R_0402]  57.2 16.1 180 top
R99  10K  [R_0402]  57.1 13.8 180 top
R100  180K  [R_0402]  44.65 6.6 90 top
R101  75K  [R_0402]  53.7 11.1 0 top
R102  150K  [R_0402]  53.65 12.85 180 top
R103  8.87K/1%  [R_0402]  58.15 5.75 270 top
R104  10.2K/1%  [R_0402]  50.4 7.2 270 top
R105  20K/1%  [R_0402]  38.2 10.1 90 top
R106  16K/1%  [R_0402]  42.65 11.8 0 top
R107  31.6K/1%  [R_0402]  39.45 17.2 0 top
R108  10.2K/1%  [R_0402]  42.15 17.2 0 top
R109  8.2K/1%  [R_0402]  51.5 23.55 180 top
R110  30K/1%  [R_0402]  49.65 22 180 top
R111  470  [R_0402]  13.2 74.1 180 bottom
R112  1M  [R_0402]  5.4 68.85 180 top
R113  10k  [R_0402]  26.7 80.6 0 bottom
R114  220  [R_0402]  68.65 64.35 270 top
R115  220  [R_0402]  66.4 64 180 bottom
R116  4.7K  [R_0402]  88.3 32.25 180 bottom
R117  1.5K  [R_0402]  96.55 34.85 270 bottom
R118  100  [R_0402]  84.25 40.55 270 bottom
R119  100  [R_0402]  77.2 43.2 180 bottom
R120  100  [R_0402]  76.55 41.4 180 bottom
R121  100  [R_0402]  84.15 44.6 180 bottom
R122  140  [R_0402]  60.75 32.3 0 bottom
R123  140  [R_0402]  60.75 33.5 0 bottom
R124  10K  [R_0402]  64.27 79.45 180 top
R125  1.5K  [R_0402]  43.25 84.15 0 top
R126  1.5K  [R_0402]  47.3 83.55 90 top
R127  1K  [R_0402]  46.2 79.35 0 top
R128  1K  [R_0402]  40.7 81.35 90 top
R129  1K  [R_0402]  69.05 83.5 0 top
R130  1K  [R_0402]  69.5 81.57 270 top
R131  10K  [R_0402]  47.2 81.5 90 top
R132  1.5K  [R_0402]  63.45 81 270 top
R133  1.5K  [R_0402]  66.1 79.42 270 top
R134  49.9  [R_0402]  68.25 89.8 270 top
R135  49.9  [R_0402]  66.85 89.8 270 top
R136  49.9  [R_0402]  66 89.8 270 top
R137  49.9  [R_0402]  64.6 89.8 270 top
R138  49.9  [R_0402]  63.75 89.8 270 top
R139  49.9  [R_0402]  62.3 89.8 270 top
R140  49.9  [R_0402]  61.45 89.45 270 top
R141  49.9  [R_0402]  60.02 89.42 270 top
R142  27K  [R_0402]  70.4 81.57 270 top
R143  27K  [R_0402]  45.9 89.2 270 bottom
R144  49.9  [R_0402]  46.12 94.65 270 bottom
R145  49.9  [R_0402]  44.78 94.65 270 bottom